# Altium PCB HAWACO_DATALOGER_DT-G2_V1.0.3.PcbDoc (part 3 of 3) (continued)
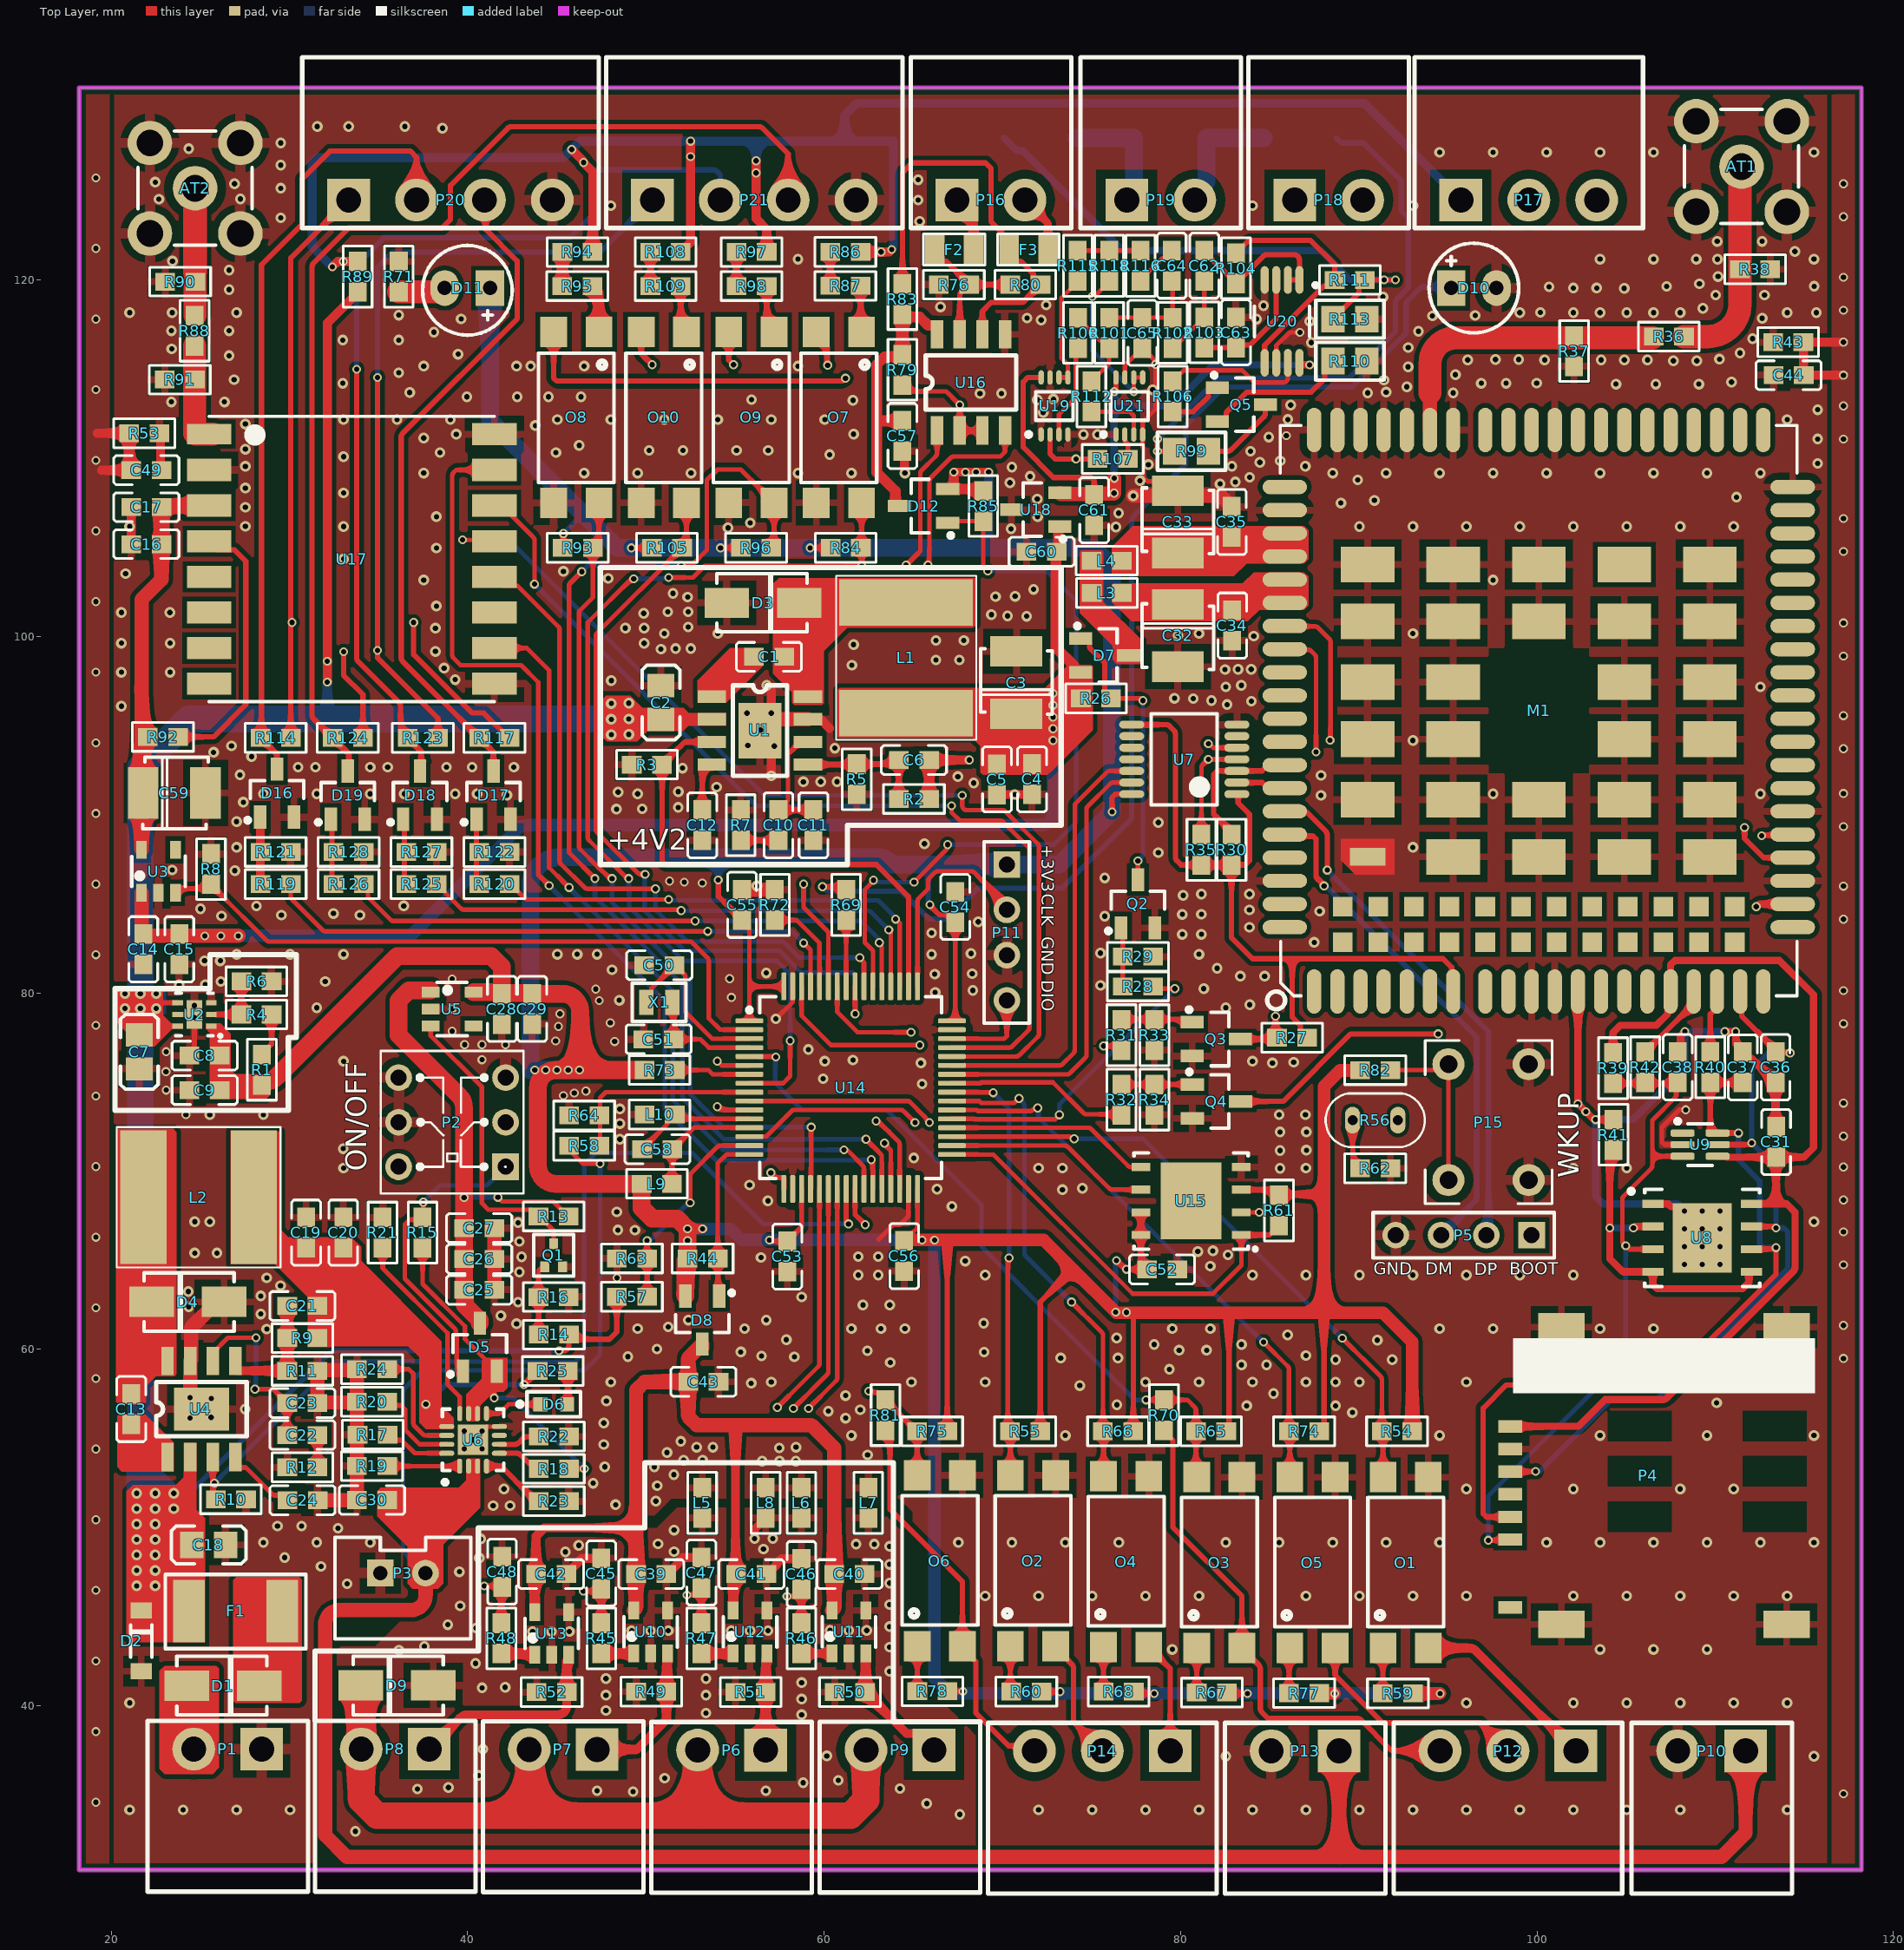
[diagram p0: Top Layer view]
## Nets (pads, with @x,y where several pads share a name; then routed paths per layer and width w, separated by ;. In a path a pad name is that pad's centre, name@x,y a point inside that pad or via, vN(x,y) a via of type N, cw(c..) or ccw(c..) an arc to the next point about the centre after c; other vN are vias at no path point) (continued)
TRANS_OUT4: R126.1 U14.53 | length 33.2
  Top Layer w0.254: R126.1@34.173,86.105 34.414,85.865 34.414,85.373 35.689,84.098 ccw(c35.868,84.277) 35.868,84.023 35.877,84.032 52.738,84.032 cw(c52.738,83.778) v2(52.767,84.03) ; v2(63.103,82.819) 63.103,82.752 63.243,82.612 U14.53@63.243,80.36
  Bottom Layer w0.254: v2(52.767,84.03) cw(c52.795,83.778) 52.795,84.032 61.954,84.032 61.955,84.032 cw(c61.955,83.778) 62.135,83.958 62.137,83.956 63.028,83.064 cw(c62.849,82.884) v2@63.103,82.885 ; v2(63.103,82.819) v2@63.103,82.884
USB_BOOST: M1.115 P5.1 | length 27.4
  Top Layer w0.381: v2(112.301,84.834) 112.451,84.984 M1.115@114.351,84.984
  Layer 3 w0.381: P5.1@99.7,66.404 100.731,67.434 ccw(c100.462,67.704) 100.843,67.704 100.843,76.281 109.395,84.834 v2(112.301,84.834)
V_NTC: R56.2 U14.58 | length 36.3
  Top Layer w0.254: U14.58@60.743,80.36 60.743,78.93 61.883,77.79 v2(64.883,77.79)
  Layer 3 w0.254: v2(64.883,77.79) 80.014,77.79 cw(c80.014,77.536) 80.195,77.715 83.171,74.739 ccw(c83.35,74.919) 83.35,74.665 91.943,74.665 cw(c91.943,74.411) 92.123,74.591 92.197,74.516 R56.2@92.197,72.857
V_OUTPUT12: P20.1 R114.2 R117.2 | length 47.5
  Top Layer w0.3: R114.2@30.082,94.307 30.082,121.243 P20.1@33.325,124.485 ; v2(36.976,100.787) 36.976,98.982 40.257,95.701 40.911,95.701 42.305,94.307 R117.2@42.355,94.307
  Layer 3 w0.3: v2(30.151,100.787) v2(36.976,100.787)
V_OUTPUT34: P21.1 R123.2 R124.2 | length 52
  Top Layer w0.3: v2(33.045,99.136) 33.045,97.821 34.128,96.738 R124.2@34.128,94.307 ; v2(34.95,114.529) v2(34.95,99.212) 34.95,98.799 38.341,95.408 R123.2@38.341,94.307
  Layer 3 w0.3: v2(33.045,99.136) 34.874,99.136 v2(34.95,99.212)
  Bottom Layer w0.3: v2(34.95,114.529) 34.95,120.707 35.808,121.564 47.447,121.564 P21.1@50.368,124.485
V_SYS: C25.2 C26.2 C27.2 D5.3 R13.2 U5.1 | length 28.3
  Top Layer w0.254: v2(41.703,68.531) 41.942,68.292 44.802,68.292 45.487,67.606 45.537,67.606 R13.2@45.681,67.462
  Top Layer w1: U5.1@37.932,80.149 36.719,80.149 36.133,79.564 36.133,77.631 39.51,74.254 cw(c38.803,73.547) 39.803,73.547 v2(39.803,68.521) C27.2@39.803,66.802 C26.2@39.803,65.068 C25.2@39.803,63.335 39.853,63.335 39.853,62.463 40.679,61.637 40.679,61.484 D5.3@40.691,61.472
  Layer 2 w0.254: v2(39.803,68.521) v2@39.808,68.526 ; v2@41.688,68.526 41.693,68.521 v2(41.703,68.531)
  Bottom Layer w0.254: v2@39.808,68.526 v2@41.688,68.526
VB_OUT: D5.2 R15.2 R18.1 U6.10 U6.11 | length 17.9
  Top Layer w0.254: R15.2@37.477,65.699 37.477,63.669 39.852,61.294 39.852,60.58 41.137,59.295 41.418,59.295 41.641,59.072 D5.2@41.641,58.772 41.5,58.631 v2(41.5,57.272) ; R18.1@45.687,53.297 v2(46.547,53.297)
  Bottom Layer w0.254: v2(41.5,57.272) 42.571,57.272 v2(46.547,53.297)
VBAT: C30.2 P3.2 P10.1 P13.1 R58.2 U6.2 U6.3 | length 146.7
  Top Layer w0.254: R58.2@45.69,71.42 45.581,71.31 46.472,70.42 v2(47.44,70.42)
  Top Layer w0.8: P3.2@37.643,47.447 37.643,46.173 cw(c36.843,46.173) 36.843,45.373 32.814,45.373 ccw(c32.812,44.573) 32.012,44.573 32.012,32.733 33.233,31.512 88.9,31.512 ; P13.1@88.9,37.471 88.9,31.512 ; P10.1@111.709,37.471 111.709,32.868 110.353,31.512 88.9,31.512
  Bottom Layer w0.254: P3.2@37.643,47.447 36.388,48.702 36.388,57.617 cw(c36.642,57.617) 36.463,57.796 37.413,58.747 cw(c37.593,58.568) 37.593,58.822 46.461,58.822 ccw(c46.461,59.076) 46.641,58.896 47.366,59.621 ccw(c47.186,59.801) 47.44,59.8 v2(47.44,70.42)
VBAT_BB: C32.1 C34.1 L3.2 M1.59 M1.60
VBAT_RF: C33.1 C35.1 L4.2 M1.57 M1.58
VCC_AIN: C39.1 C40.1 C41.1 C42.1 C43.1 D8.3 U10.5 U11.5 U12.5 U13.5 | length 58.7
  Top Layer w0.5: U13.5@43.765,45.261 43.765,47.312 C42.1@43.84,47.387 43.84,49.519 44.303,49.983 49.458,49.983 ; U12.5@54.905,45.345 54.905,47.216 C41.1@55.075,47.387 cw(c55.533,47.589) 55.033,47.589 55.033,55.753
  Top Layer w0.8: U10.5@49.317,45.345 49.458,45.486 C39.1@49.458,47.387 49.458,49.983 49.458,57.707 49.926,58.176 C43.1@52.383,58.176 ; D8.3@53.166,60.291 53.166,60.091 53.116,60.041 52.916,60.041 52.383,59.508 C43.1@52.383,58.176 ; U11.5@60.442,45.345 60.574,45.478 C40.1@60.574,47.387 60.574,54.465 59.286,55.753 55.033,55.753 52.851,55.753 52.383,56.222 C43.1@52.383,58.176
VCC_LORA: C16.2 C17.2 C59.1 R92.2 U3.5 U17.3 | length 22.4
  Top Layer w0.8: U3.5@21.707,88.017 21.707,102.072 22.829,103.194 C16.2@22.829,105.177 C17.2@22.829,107.25 22.921,107.343 U17.3@25.503,107.343
VCC_RS485: C57.1 D12.3 R79.2 R83.1 U16.8 | length 16.9
  Top Layer w0.6: D12.3@64.236,107.319 64.056,107.319 64.006,107.369 64.006,108.162 62.958,109.21 62.958,112.227 ; C57.1@64.267,112.231 C57.1@64.398,112.099 63.085,112.099 62.958,112.227 ; U16.8@66.345,116.949 66.345,117.399 66.295,117.449 65.845,117.449 65.37,117.924 64.55,117.924 R83.1@64.398,118.076 R79.2@64.398,115.81 64.274,115.686 63.4,115.686 62.958,115.243 62.958,112.227
VDDA: C58.2 L9.2 U14.13 | length 6.8
  Top Layer w0.254: L9.2@51.472,69.291 51.472,71.205 C58.2@51.499,71.231 51.549,71.231 51.922,71.604 51.922,71.654 52.708,72.441 55.803,72.441 U14.13@55.813,72.43
VEXD_1V8: M1.7 R27.2 R30.2 R35.2 U7.1 U7.8 | length 41.4
  Top Layer w0.3: U7.8@77.263,95.052 79.182,95.052 cw(c79.182,94.752) 79.395,94.963 79.626,94.732 cw(c79.413,94.521) 79.713,94.521 79.713,87.621 ccw(c80.013,87.621) 79.801,87.409 80.035,87.174 R35.2@81.173,87.174 R30.2@82.866,87.174 ; U7.1@83.163,91.152 83.169,91.152 83.238,91.082 83.238,90.652 83.866,90.024 83.866,87.414 83.64,87.189 82.88,87.189 R30.2@82.866,87.174 ; R27.2@87.113,77.485 87.078,77.485 86.728,77.835 86.728,78.186 86.264,78.651 86.264,81.915 ; M1.7@95.301,80.084 95.211,80.175 95.211,81.434 94.731,81.915 86.264,81.915 ; R30.2@82.866,87.174 82.866,83.094 84.045,81.915 86.264,81.915
VFB: C6.1 R2.1 R5.2 U1.5 | length 7.4
  Top Layer w0.3: U1.5@59.104,92.808 61.808,92.808 R5.2@61.833,92.833 63.966,92.833 C6.1@64.196,93.062 R2.1@64.196,90.883
VFB5V: C21.1 R9.1 R11.2 U4.5 | length 7
  Top Layer w0.5: U4.5@26.975,59.348 26.975,58.898 27.075,58.798 27.525,58.798 27.528,58.794 R11.2@29.884,58.794 29.882,58.796 C21.1@29.882,62.433
"Vin 4-20mA": D13.1 D14.2 P19.2 | length 7
  Bottom Layer w1: P19.2@80.797,124.485 80.797,124.864 81.458,125.525 D14.2@81.458,127.965 D13.1@84.683,127.965
"VIN 16V": C2.2 C7.2 C18.2 D2.2@21.692,45.337 F1.2 R14.2 R57.2 R89.1 U1.2 U2.4 U2.6 U4.2 | length 134.3
  Top Layer w0.3: v1(21.641,79.121) 21.722,79.121 22.038,79.437 U2.4@23.732,79.437 ; v2(45.131,59.917) 45.368,59.917 ccw(c45.368,60.217) 45.58,60.005 45.598,60.023 ccw(c45.386,60.235) 45.686,60.235 R14.2@45.686,60.822 ; R14.2@45.687,60.568 47.952,60.568 48.371,60.987 R57.2@48.371,62.953
  Top Layer w0.5: v2(32.131,97.44) v2(32.131,98.603) 32.131,117.585 33.833,119.287 R89.1@33.833,119.337
  Bottom Layer w0.3: v1(23.515,51.057) 32.191,59.734 cw(c32.403,59.522) 32.403,59.822 32.498,59.917 v2(45.131,59.917)
  Bottom Layer w0.5: 32.131,95.368 v2(32.131,97.44) v2(32.131,98.603)
  Bottom Layer w1.5: v1(22.476,46.731) 21.641,47.566 v1(21.641,79.121) v1(21.641,79.959) 21.641,92.653 24.356,95.368 v1(49.049,95.368)
  other v1: 21.438,46.731 21.438,47.596 22.476,47.596 21.438,48.461 22.476,48.461 21.438,49.327 22.476,49.327 21.438,50.192 22.476,50.192 21.438,51.057 22.476,51.057 21.438,51.923 22.476,51.923 23.515,51.923 20.775,79.121 22.528,79.121 20.775,79.959 22.528,79.959 48.064,94.483 49.049,94.503 48.064,95.348 48.064,96.235 49.049,96.255
"VIN 24V1": D9.2 P6.2 P7.2 P8.2 P9.2 | length 45.7
  Top Layer w1.5: D9.2@34.01,41.148 34.01,37.599 P8.2@34.036,37.573 34.036,34.711 34.915,33.833 43.525,33.833 ; P7.2@43.459,37.547 43.525,37.481 43.525,33.833 ; P6.2@52.908,37.516 52.908,33.833 ; P9.2@62.357,37.522 62.357,34.711 61.478,33.833 52.908,33.833 ; 43.525,33.833 52.908,33.833
VIN_OPTO: P17.1 R86.1 R89.2 R94.1 R97.1 R108.1 | length 110.2
  Top Layer w0.5: v2(32.41,120.736) 32.711,121.037 v2(33.023,121.037) R89.2@33.833,121.037 ; v2(45.839,127.323) 46.507,126.655 v2(46.507,126.594) 47.019,126.082 R94.1@47.019,121.564 ; R108.1@52.125,121.73 R108.1@51.96,121.564 52.01,121.564 52.26,121.814 52.26,121.864 52.51,122.114 v2(52.51,126.916) v2(52.51,127.787) ; v2(56.19,126.688) v2(56.19,126.004) 56.19,123.448 56.786,122.851 R97.1@56.786,121.564 ; R86.1@62.049,121.571 63.666,121.571 v2(63.798,121.703)
  Bottom Layer w0.5: v2(33.023,121.037) 33.004,121.018 32.719,121.018 32.437,120.736 v2(32.41,120.736) 31.278,121.869 31.278,126.565 31.571,126.858 45.375,126.858 v2(45.839,127.323) ; v2(46.507,126.594) 46.507,126.655 v2(45.839,127.323) ; v2(52.51,126.916) v2(52.51,127.787) ; v2(56.19,126.004) v2(56.19,126.688) 56.19,127.787 ; v2(63.798,121.703) ccw(c63.398,122.003) 63.898,122.005 63.898,127.787 61.168,127.787 ; P17.1@95.733,124.485 90.302,129.916 61.844,129.916 61.168,129.24 61.168,127.787 ; v2(45.839,127.323) 46.304,127.787 56.19,127.787 ; 56.19,127.787 61.168,127.787
  other v2: 63.199,121.571
VREF: C61.1 U18.2 U19.8 U20.8 U21.8 | length 33.4
  Top Layer w0.3: U19.8@72.182,114.531 71.438,114.531 71.18,114.272 71.18,110.609 72.873,108.915 74.984,108.915 75.16,108.739 C61.1@75.16,107.936 ; v2(76.289,113.731) 76.289,113.785 76.378,113.875 U21.8@76.378,114.531
  Top Layer w0.4: U20.8@86.675,115.353 86.675,115.272 86.698,115.249 87.23,115.249 v2(87.25,115.23)
  Top Layer w0.8: U18.2@73.23,108.036 73.28,107.986 75.11,107.986 C61.1@75.16,107.936 75.228,108.004 76.24,108.004 v2(76.272,108.036) v2@76.272,108.856
  Bottom Layer w0.4: v2(76.272,108.036) 76.272,112.931 ; v2(76.289,113.731) 76.272,113.714 76.272,112.931 ; v2(87.25,115.23) 81.843,115.23 79.544,112.931 76.272,112.931
  other v2: 76.289,108.872
WKUP1: P15.1 P15.2 R82.1 U14.14 | length 54.8
  Top Layer w0.254: U14.14@55.813,71.93 55.826,71.943 56.756,71.943 58.243,73.43 64.295,73.43 cw(c64.295,73.176) 64.475,73.355 v2(65.103,72.727) ; R82.1@91.777,75.665 94.288,75.665 94.322,75.7 95.002,75.7 P15.2@95.037,75.665 ; P15.1@95.037,69.496 P15.2@95.037,75.665 ; P15.2@95.037,75.996 P15.2@95.037,75.665
  Layer 3 w0.254: v2@65.103,72.727 67.351,74.974 82.1,74.974 82.863,74.211 90.322,74.211 90.932,73.601 90.932,70.735 ccw(c91.186,70.735) 91.006,70.555 91.992,69.57 ccw(c92.171,69.75) 92.171,69.496 P15.1@95.037,69.496
pads on no net: D2.2@20.625,44.856 M1.1 M1.2 M1.3 M1.4 M1.5 M1.6 M1.11 M1.12 M1.13 M1.18 M1.23 M1.24 M1.25 M1.26 M1.27 M1.28 M1.29 M1.30 M1.31 M1.32 M1.33 M1.34 M1.35 M1.37 M1.38 M1.39 M1.40 M1.41 M1.42 M1.43 M1.44 M1.45 M1.47 M1.55 M1.63 M1.64 M1.65 M1.66 M1.71 M1.88 M1.113 M1.114 M1.116 M1.117 M1.118 M1.119 M1.120 M1.121 M1.122 M1.123 M1.124 M1.125 M1.126 M1.127 M1.128 M1.129 M1.130 M1.131 M1.132 M1.133 M1.134 M1.135 M1.136 M1.137 M1.138 M1.139 M1.140 M1.141 M1.142 M1.143 M1.144 P2.6 P4.6 P4.CD U1.0 U3.4 U4.0 U5.4 U6.7 U7.6 U7.9 U9.1 U15.9 U16.0 U17.5 U17.6 U17.7 U17.8 U17.11

## Polygon pours and split planes (outlines as drawn)
GND on Top Layer "NONET_L-01_P-001" (solid, remove dead copper, pour order 36): 20.116,130.797 116.281,130.797 116.281,31.002 69.608,31.002 69.206,31.404 69.206,38.81 67.204,40.811 65.71,40.811 64.967,41.554 64.967,50.867 64.197,51.637 51.445,51.637 50.481,50.674 38.217,50.674 36.64,49.097 36.64,46.194 34.998,44.552 32.588,44.552 31.436,43.399 31.436,30.785 31.398,30.823 20.154,30.823
MASS2 on Top Layer "Top Mass1" (solid, remove dead copper, pour order 7): 19.899,130.81 19.914,130.795 19.914,108.966 19.914,105.969 19.899,105.969 19.899,30.81 18.237,30.81 18.212,30.785 18.212,130.785
AGND on Top Layer "NONET_L-01_P-001" (solid, remove dead copper, pour order 28): 32.879,43.324 34.821,43.324 37.276,45.779 37.276,48.101 39.158,49.983 50.618,49.983 51.763,51.128 63.25,51.128 64.375,50.003 64.375,40.001 66.863,40.001 68.517,38.347 68.517,30.817 68.549,30.785 32.791,30.785 32.36,31.217 32.36,42.805
MASS1 on Top Layer "Top Mass1" (solid, remove dead copper, pour order 43): 116.55,130.785 116.535,130.77 116.535,108.941 116.535,105.943 116.55,105.943 116.55,30.785 118.212,30.785 118.237,30.759 118.237,130.759
GND on Layer 2 "NONET_L-01_P-001" (solid, remove dead copper, pour order 37): 20.116,130.797 116.281,130.797 116.281,31.002 69.608,31.002 69.206,31.404 69.206,38.81 67.204,40.811 65.71,40.811 64.967,41.554 64.967,50.867 64.197,51.637 51.445,51.637 50.481,50.674 38.217,50.674 36.64,49.097 36.64,46.194 34.998,44.552 32.588,44.552 31.436,43.399 31.436,30.785 31.398,30.823 20.154,30.823
MASS1 on Layer 2 "Top Mass1" (solid, remove dead copper, pour order 42): 116.55,130.785 116.535,130.77 116.535,108.941 116.535,105.943 116.55,105.943 116.55,30.785 118.212,30.785 118.237,30.759 118.237,130.759
AGND on Layer 2 "NONET_L-01_P-001" (solid, remove dead copper, pour order 29): 32.879,43.324 34.821,43.324 37.276,45.779 37.276,48.101 39.158,49.983 50.618,49.983 51.763,51.128 63.25,51.128 64.375,50.003 64.375,40.001 66.863,40.001 68.517,38.347 68.517,30.817 68.549,30.785 32.791,30.785 32.36,31.217 32.36,42.805
MASS2 on Layer 2 "Top Mass1" (solid, remove dead copper, pour order 6): 19.899,130.81 19.914,130.795 19.914,108.966 19.914,105.969 19.899,105.969 19.899,30.81 18.237,30.81 18.212,30.785 18.212,130.785
GND on Layer 3 "NONET_L-01_P-001" (solid, remove dead copper, pour order 38): 20.116,130.797 116.281,130.797 116.281,31.002 69.608,31.002 69.206,31.404 69.206,38.81 67.204,40.811 65.71,40.811 64.967,41.554 64.967,50.867 64.197,51.637 51.445,51.637 50.481,50.674 38.217,50.674 36.64,49.097 36.64,46.194 34.998,44.552 32.588,44.552 31.436,43.399 31.436,30.785 31.398,30.823 20.154,30.823
MASS1 on Layer 3 "Top Mass1" (solid, remove dead copper, pour order 41): 116.525,130.81 116.51,130.795 116.51,108.966 116.51,105.969 116.525,105.969 116.525,30.81 118.186,30.81 118.212,30.785 118.212,130.785
AGND on Layer 3 "NONET_L-01_P-001" (solid, remove dead copper, pour order 30): 32.879,43.324 34.821,43.324 37.276,45.779 37.276,48.101 39.158,49.983 50.618,49.983 51.763,51.128 63.25,51.128 64.375,50.003 64.375,40.001 66.863,40.001 68.517,38.347 68.517,30.817 68.549,30.785 32.791,30.785 32.36,31.217 32.36,42.805
MASS2 on Layer 3 "Top Mass1" (solid, remove dead copper, pour order 5): 19.924,130.835 19.939,130.82 19.939,108.991 19.939,105.994 19.924,105.994 19.924,30.836 18.263,30.836 18.237,30.81 18.237,130.81
GND on Bottom Layer "NONET_L-01_P-001" (solid, remove dead copper, pour order 39): 20.116,130.797 116.281,130.797 116.281,31.002 69.608,31.002 69.206,31.404 69.206,38.81 67.204,40.811 65.71,40.811 64.967,41.554 64.967,50.867 64.197,51.637 51.445,51.637 50.481,50.674 38.217,50.674 36.64,49.097 36.64,46.194 34.998,44.552 32.588,44.552 31.436,43.399 31.436,30.785 31.398,30.823 20.154,30.823
MASS1 on Bottom Layer "Top Mass1" (solid, remove dead copper, pour order 40): 116.55,130.785 116.535,130.77 116.535,108.941 116.535,105.943 116.55,105.943 116.55,30.785 118.212,30.785 118.237,30.759 118.237,130.759
AGND on Bottom Layer "NONET_L-01_P-001" (solid, remove dead copper, pour order 31): 32.879,43.324 34.821,43.324 37.276,45.779 37.276,48.101 39.158,49.983 50.618,49.983 51.763,51.128 63.25,51.128 64.375,50.003 64.375,40.001 66.863,40.001 68.517,38.347 68.517,30.817 68.549,30.785 32.791,30.785 32.36,31.217 32.36,42.805
MASS2 on Bottom Layer "Top Mass1" (solid, remove dead copper, pour order 4): 19.899,130.81 19.914,130.795 19.914,108.966 19.914,105.969 19.899,105.969 19.899,30.81 18.237,30.81 18.212,30.785 18.212,130.785

## Keep-outs
Keep-Out Layer:
  the board outline again, w0.254

## Other copper
Top Layer:
  region net +4V2GSM: 75.589,104.826 75.667,104.746 75.667,101.939 77.851,99.755 77.851,98.603 77.699,98.45 76.429,98.45 76.2,98.679 76.2,99.466 74.346,101.321 74.346,104.75 74.422,104.826
  region net +4V2: 72.847,92.511 75.082,94.746 75.082,98.298 74.981,98.4 73.701,98.4 72.405,97.104 60.858,97.104 60.757,97.003 60.757,94.386 60.833,94.31 68.326,94.31 68.783,93.853 68.783,92.354 68.91,92.227 72.542,92.227
  region net NetC1_1: 56.612,99.353 54.74,99.353 52.904,97.518 52.904,96.268 54.504,96.268 56.612,98.376
  region net NetC1_2: 58.217,96.268 58.321,96.164 59.893,96.164 59.995,96.266 59.995,99.171 61.307,100.482 68.351,100.482 68.545,100.676 68.545,103.203 68.471,103.276 57.48,103.276 57.15,102.946 57.15,97.922 58.217,96.856
  region net "VIN 16V": 54.504,95.698 52.404,95.698 52.114,95.988 49.808,95.988 49.127,96.669 47.774,96.669 47.523,96.418 47.523,94.386 47.803,94.107 49.519,94.107 50.1,94.688 52.092,94.688 52.402,94.998 54.504,94.998
  region net VBAT: 39.967,53.869 40.67,53.869 40.7,53.839 40.7,51.109 38.634,49.043 38.634,46.863 38.347,46.577 36.913,46.577 36.64,46.85 36.64,48.929 34.94,50.629 34.94,52.045 35.131,52.236 39.516,52.236 39.92,52.641 39.92,53.822
  region net VB_OUT: 39.92,56.051 40.002,55.969 40.618,55.969 40.7,56.051 40.7,56.831 41.489,57.62 42.024,57.62 42.24,57.836 42.24,59.512 40.97,59.512 40.81,59.352 40.81,58.361 39.92,57.471
  region net +5V: 26.709,72.282 26.776,72.215 29.506,72.215 29.506,66.731 29.944,66.294 33.481,66.294 34.026,65.749 34.026,64.965 38.55,60.442 38.55,56.821 39.219,56.152 39.219,55.57 39.178,55.529 37.656,55.529 37.287,55.898 37.287,59.555 36.662,60.18 32.494,60.18 32.444,60.13 31.034,60.13 31.034,62.932 29.184,64.782 26.709,64.782
  region net NetC13_1: 20.342,56.286 20.444,56.388 21.892,56.388 23.515,54.766 23.515,53.148 20.591,53.148 20.342,53.397
  region net +3V3: 25.322,78.287 26.135,78.287 26.709,77.713 26.709,75.689 26.964,75.434 28.91,75.434 28.955,75.389 28.955,74.289 28.711,74.045 25.547,74.045 25.547,77.762 25.322,77.987
  region net "VIN 16V": 22.911,80.191 22.711,80.391 20.396,80.391 20.32,80.315 20.32,78.334 20.831,77.823 20.831,76.989 22.434,76.989 23.432,77.987 24.032,77.987 24.032,78.287 23.368,78.287 22.911,78.745
  region net "VIN 16V": 21.226,52.392 23.659,52.392 23.671,52.404 24.085,52.818 24.085,54.748 24.785,54.748 24.785,51.003 25.263,50.526 25.263,43.564 21.165,43.564 20.875,43.854 20.875,49.608 20.875,52.041
  region net NetD1_1: 22.994,42.24 22.72,41.967 22.72,36.462 23.012,36.17 25.705,36.17 26.06,36.525 26.06,42.082 25.903,42.24
  region net NetC13_2: 21.819,56.902 21.952,57.036 21.952,57.939 22.519,58.506 23.556,58.506 23.673,58.623 23.673,72.187 23.495,72.365 20.371,72.365 20.269,72.263 20.269,57.048 20.415,56.902
  region net NetD1_2: 30.556,47.219 30.709,47.066 30.709,40.279 30.587,40.157 26.976,40.157 26.861,40.273 26.861,47.054 27.026,47.219
  region net VBAT_BB: 76.163,101.937 77.251,100.85 83.781,100.85 84.423,101.492 86.946,101.492 87.18,101.726 87.18,103.358 86.946,103.592 84.11,103.592 83.49,102.972 76.251,102.972 76.163,102.884
  region net VBAT_RF: 76.163,103.517 76.302,103.378 83.004,103.378 83.718,104.092 86.946,104.092 87.18,104.326 87.18,105.958 86.946,106.192 84.915,106.192 77.325,106.192 76.163,105.03
Layer 2:
  pour cut-out: 23.063,126.441 cw(c23.424,126.441) 23.424,126.802 25.964,126.802 cw(c25.964,126.503) 26.264,126.503 26.264,114.6 27.534,113.33 27.534,110.502 27,109.968 24.19,109.968 23.076,111.082 23.076,120.715
  pour cut-out: 92.701,109.804 91.821,110.685 91.821,117.317 93.148,118.643 108.804,118.643 109.824,119.664 109.824,127.249 110.642,128.067 112.319,128.067 113.093,127.293 113.093,116.319 111.862,115.089 96.115,115.089 95.301,114.275 95.301,110.618 94.488,109.804
Layer 3:
  region net SIM_GND: 107.624,68.206 107.633,68.197 110.924,68.197 110.924,64.338 110.891,64.306 107.642,64.306
Bottom Layer:
  region net "VIN 16V": 47.523,96.418 46.888,95.783 46.888,95.021 47.803,94.107 49.519,94.107 49.808,94.396 49.808,95.988 49.127,96.669 47.774,96.669
  region net "VIN 16V": 20.967,77.686 21.908,77.686 23.081,78.859 23.081,80.323 23.012,80.391 20.396,80.391 20.32,80.315 20.32,78.334
  region net "VIN 16V": 22.103,53.948 21.168,53.948 20.875,53.654 20.875,52.041 20.875,46.731 20.875,45.932 21.02,45.787 23.14,45.787 24.085,46.732 24.085,51.966

## Silkscreen, mask and mechanical layers (free items; w line width, h text height)
Top Overlay:
  lines w0.3: 31.436,39.148 31.436,43.064 32.012,43.064 40.611,43.064 40.611,49.983 49.951,49.983 49.951,53.63 63.898,53.63 63.898,39.097 68.767,39.097 ; 20.218,73.406 20.218,80.237 25.547,80.237 25.547,82.148 28.201,82.148 30.393,82.148 30.393,77.499 29.944,77.499 29.944,73.406 20.218,73.406 ; 47.447,87.198 47.447,103.861 55.347,103.861 73.304,103.861 73.304,89.409 61.308,89.409 61.308,87.198 47.447,87.198
  text "+3V3" at 71.963,88.311 h1.2 r270
  text "+4V2" at 47.843,87.637 h2
  text "CLK" at 71.962,85.57 h1.2 r270
  text "GND" at 71.962,83.165 h1.2 r270
  text "DIO" at 71.962,80.733 h1.2 r270
  text "ON/OFF" at 34.712,69.984 h2 r90
  text "WKUP" at 102.74,69.626 h2 r90
  text "GND" at 90.83,63.944 h1.2
  text "DM" at 93.731,63.944 h1.2
  text "DP" at 96.478,63.932 h1.2
  text "BOOT" at 98.45,63.944 h1.2
Bottom Overlay:
  lines w0.254: 22.038,39.147 31.048,39.147 ; 22.038,48.87 31.048,48.87 ; 26.543,39.147 26.543,48.87 ; 30.725,113.132 47.355,113.132 ; 30.725,122.854 47.355,122.854 ; 31.436,39.147 40.446,39.147 ; 31.436,48.87 40.446,48.87 ; 35.23,113.132 35.23,122.854 ; 35.941,39.147 35.941,48.87 ; 39.04,113.132 39.04,122.854 ; 40.859,39.147 49.869,39.147 ; 40.859,48.87 49.869,48.87 ; 42.85,113.132 42.85,122.854 ; 45.364,39.147 45.364,48.87 ; 47.769,113.132 64.398,113.132 ; 47.769,122.854 64.398,122.854 ; 50.308,39.147 59.318,39.147 ; 50.308,48.87 59.318,48.87 ; 52.273,113.132 52.273,122.854 ; 54.813,39.147 54.813,48.87 ; 56.083,113.132 56.083,122.854 ; 59.757,39.147 68.767,39.147 ; 59.757,48.87 68.767,48.87 ; 59.893,113.132 59.893,122.854 ; 64.262,39.147 64.262,48.87 ; 64.862,113.132 73.873,113.132 ; 64.862,122.854 73.873,122.854 ; 69.215,39.155 82.035,39.155 ; 69.215,48.877 82.035,48.877 ; 69.367,113.132 69.367,122.854 ; 73.72,39.155 73.72,48.877 ; 73.873,126.314 73.873,113.132 ; 73.873,129.591 73.873,129.916 64.862,129.916 64.862,109.404 73.873,109.404 73.873,113.132 ; 74.387,113.132 83.398,113.132 83.398,109.404 74.387,109.404 74.387,126.314 ; 74.387,122.854 83.398,122.854 ; 74.387,129.591 74.387,129.916 83.398,129.916 83.398,112.461 ; 77.53,39.155 77.53,48.877 ; 78.892,113.132 78.892,122.854 ; 82.499,39.155 91.509,39.155 ; 82.499,48.877 91.509,48.877 ; 83.811,113.132 93.04,113.132 93.04,122.854 ; 83.811,122.854 92.821,122.854 105.953,122.854 ; 83.811,126.848 83.811,109.404 92.821,109.404 102.143,109.404 105.953,109.404 105.953,129.916 92.821,129.916 83.811,129.916 83.811,129.108 ; 87.004,39.155 87.004,48.877 ; 88.316,113.132 88.316,122.854 ; 91.964,39.155 104.784,39.155 ; 91.964,48.877 104.784,48.877 ; 93.133,113.132 105.953,113.132 ; 96.469,39.155 96.469,48.877 ; 97.638,113.132 97.638,122.854 ; 100.279,39.155 100.279,48.877 ; 101.448,113.132 101.448,122.854 ; 105.248,39.155 114.258,39.155 ; 105.248,48.877 114.258,48.877 ; 109.753,39.155 109.753,48.877 ; 22.038,31.217 22.038,48.672 22.038,52.598 31.048,52.598 31.048,31.217 22.038,31.217 ; 30.725,109.404 30.725,129.896 47.355,129.896 47.355,113.33 47.355,109.404 30.725,109.404 ; 31.436,31.217 40.446,31.217 40.446,52.598 31.436,52.598 31.436,48.672 31.436,31.217 ; 40.859,31.217 40.859,48.672 40.859,52.598 49.869,52.598 49.869,31.217 40.859,31.217 ; 47.769,109.404 64.398,109.404 64.398,113.33 64.398,129.896 47.769,129.896 47.769,109.404 ; 50.308,31.217 59.318,31.217 59.318,52.598 50.308,52.598 50.308,48.672 50.308,31.217 ; 59.757,31.217 68.767,31.217 68.767,52.605 59.757,52.605 59.757,48.672 59.757,31.217 ; 69.215,31.224 82.035,31.224 82.035,52.605 69.215,52.605 69.215,48.679 69.215,31.224 ; 82.499,31.224 82.499,48.679 82.499,52.562 91.509,52.562 91.509,31.224 82.499,31.224 ; 91.964,31.224 91.964,48.679 91.964,52.605 104.784,52.605 104.784,31.224 91.964,31.224 ; 105.248,31.224 114.258,31.224 114.258,52.562 105.248,52.562 105.248,48.679 105.248,31.224
  text "-SENSOR" at 77.034,120.907 h1.52 r90
  text "+SENSOR" at 81.251,120.907 h1.52 r90
  text "RS485_B" at 67.605,120.261 h1.52 r90
  text "RS485_A" at 71.688,120.269 h1.52 r90
  text "OUTPUT2" at 41.369,120.087 h1.52 r90
  text "OUTPUT4" at 58.413,120.087 h1.52 r90
  text "VOUT1+2" at 33.309,119.96 h1.52 r90
  text "VOUT3+4" at 50.352,119.96 h1.52 r90
  text "OUTPUT1" at 37.501,119.887 h1.52 r90
  text "OUTPUT3" at 54.544,119.887 h1.52 r90
  text "VIN" at 95.925,118.084 h1.52 r90
  text "IN4" at 90.875,117.856 h1.52 r90
  text "IN2" at 103.686,117.851 h1.52 r90
  text "IN1" at 99.876,117.672 h1.52 r90
  text "IN3" at 86.723,116.326 h1.52 r90
  text "0V" at 45.729,115.894 h1.52 r90
  text "0V" at 62.773,115.894 h1.52 r90
  text "INPUT_OPTO" at 98.837,110.409 h1.52
  text "TRANS_OUT1+2" at 44.264,110.27 h1.52
  text "TRANS_OUT3+4" at 61.311,110.27 h1.52
  text "RS485" at 71.874,110.249 h1.52
  text "OUTPUT 4-20mA" at 82.001,110.043 h1.52
  text "VIN" at 28.218,50.065 h2
  text "INPUT  / CYBLE_1" at 78.808,49.526 h1.52
  text "INPUT  / CYBLE_2" at 101.557,49.526 h1.52
  text "INPUT  / 4-20mA_4" at 39.437,49.482 h1.52
  text "INPUT  / 4-20mA_3" at 48.861,49.482 h1.52
  text "INPUT  / 4-20mA_2" at 58.309,49.482 h1.52
  text "INPUT  / 4-20mA_1" at 67.758,49.482 h1.52
  text "INPUT  / CYBLE_1" at 89.809,49.38 h1.52
  text "INPUT  / CYBLE_2" at 112.558,49.38 h1.52
  text "0V" at 27.911,42.469 h1.52 r270
  text "CIR2" at 71.184,41.885 h1.52 r270
  text "DIR2" at 74.978,41.885 h1.52 r270
  text "PWM2" at 78.788,41.885 h1.52 r270
  text "0V" at 84.039,41.885 h1.52 r270
  text "VEXT_1" at 88.9,41.886 h1.52 r270
  text "CIR2" at 93.869,41.885 h1.52 r270
  text "DIR2" at 97.79,41.885 h1.52 r270
  text "PWM2" at 101.956,41.885 h1.52 r270
  text "0V" at 106.788,41.885 h1.52 r270
  text "VEXT_2" at 111.573,41.886 h1.52 r270
  text "+12VDC" at 24.044,41.25 h1.52 r270
  text "+SENSOR" at 33.514,40.449 h1.52 r270
  text "-SENSOR" at 37.324,40.446 h1.52 r270
  text "+SENSOR" at 42.937,40.449 h1.52 r270
  text "-SENSOR" at 46.747,40.446 h1.52 r270
  text "+SENSOR" at 52.386,40.449 h1.52 r270
  text "-SENSOR" at 56.196,40.446 h1.52 r270
  text "+SENSOR" at 61.835,40.449 h1.52 r270
  text "-SENSOR" at 65.645,40.446 h1.52 r270
Top Solder:
  region: 118.237,130.759 116.437,130.759 116.437,30.759 118.237,30.759
  rectangle: 18.212,30.785 20.012,130.785
Bottom Solder:
  rectangle: 18.212,30.797 20.012,130.797
  region: 118.237,130.772 116.437,130.772 116.437,30.772 118.237,30.772
Mechanical 2:
  lines w0.254: 48.508,120.086 48.508,125.146 68.186,125.146 87.865,125.146 ; 68.466,120.676 68.466,125.146
  lines w0.3: 18.212,30.793 118.212,130.785 ; 18.212,130.785 118.212,30.793 ; 36.133,75.243 42.119,70.243 ; 36.148,70.243 42.133,75.243 ; 39.133,72.743 39.133,80.789 68.212,80.789 68.212,72.746 97.287,72.746 118.212,72.746 ; 95.037,69.496 99.537,75.996 ; 95.037,75.996 99.537,69.496